# Altium PCB RFSOC_SAWG.PcbDoc (part 8 of 15)
Units mm, origin at the board's own origin, x right, y up, seen from the top; angles counter-clockwise.
Board outline 221.25 x 100 mm, 8 copper layers (Top Layer, Mid-Layer 2, Mid-Layer 3, Mid-Layer 4, Mid-Layer 5, Mid-Layer 6, Mid-Layer 7, Bottom Layer), stack 1.455 mm thick; 1107 components, 833 nets, 3980 pads, 2483 vias.
Unrouted connection lines stored in the file: 1.
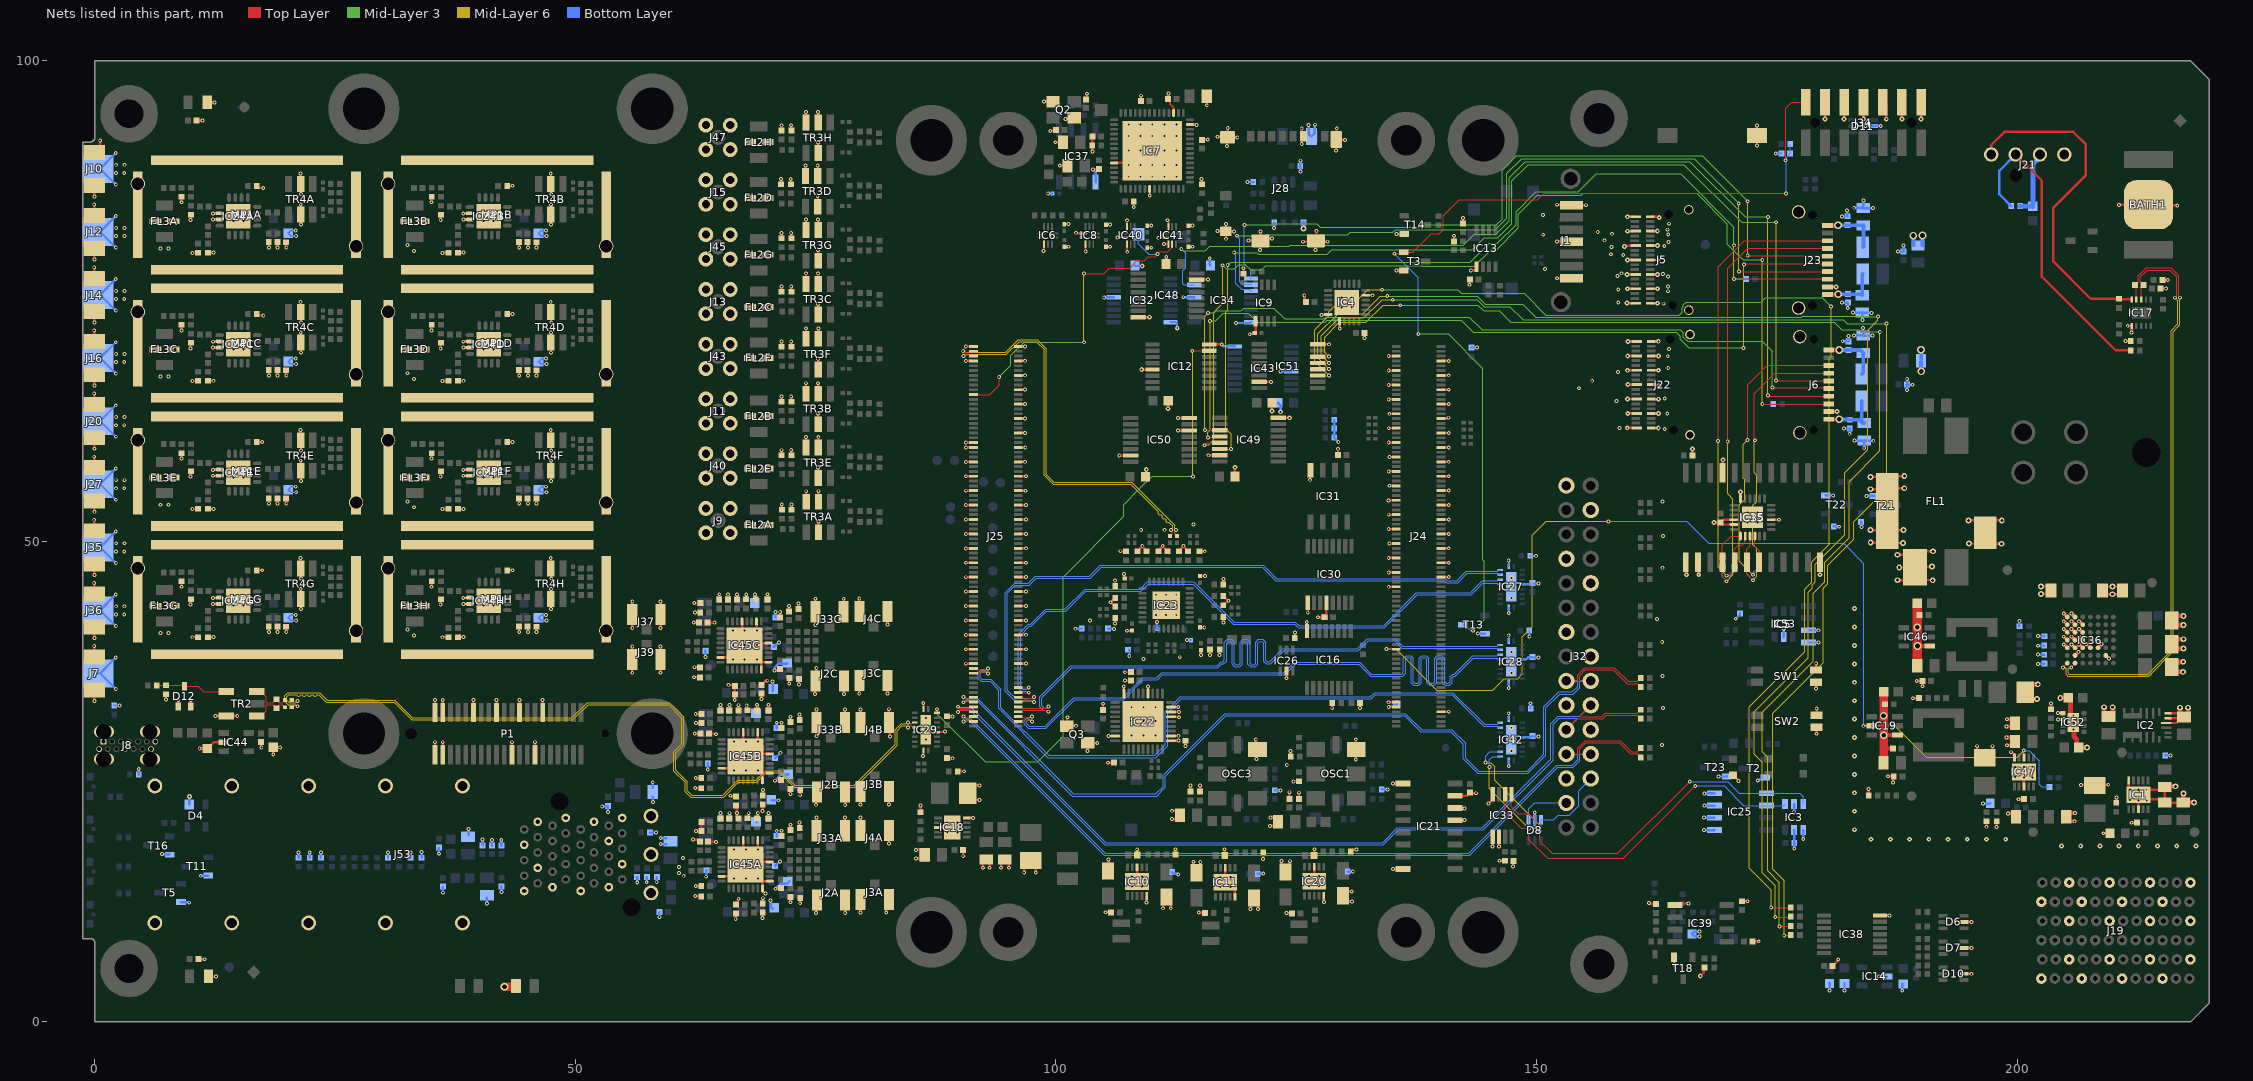
[diagram p14: the nets of this part, all layers, seen from the top]

## Via types
v1: diameter 0.4, hole 0.2, Top Layer to Bottom Layer, tented both sides, 1996 vias
v2: diameter 0.55, hole 0.2, Top Layer to Bottom Layer, 149 vias
v3: diameter 0.5, hole 0.2, Top Layer to Bottom Layer, tented both sides, 106 vias
v4: diameter 0.6, hole 0.3, Top Layer to Bottom Layer, tented both sides, 99 vias
v5: diameter 0.4, hole 0.15, Top Layer to Bottom Layer, tented both sides, 60 vias
v6: diameter 0.6, hole 0.3, Top Layer to Bottom Layer, 32 vias
v7: diameter 0.8, hole 0.5, Top Layer to Bottom Layer, tented both sides, 23 vias
v8: diameter 0.3/0.4/0.4/0.4/0.4/0.3 (per signal layer), hole 0.2, Top Layer to Bottom Layer, tented both sides, 12 vias
v9: diameter 0.4, hole 0.2, Top Layer to Bottom Layer, 5 vias
v10: diameter 0.5, hole 0.2, Top Layer to Bottom Layer, 1 vias

## Nets (pads, with @x,y where several pads share a name; then routed paths per layer and width w, separated by ;. In a path a pad name is that pad's centre, name@x,y a point inside that pad or via, vN(x,y) a via of type N, cw(c..) or ccw(c..) an arc to the next point about the centre after c; other vN are vias at no path point) (continued)
DX_N: C69.1 IC17.4 IC36.A7 | length 61
  Top Layer w0.093: v1(204.775,36.875) 204.779,36.875 205.233,37.329 IC36.A7@205.237,37.329 ; IC17.4@212.425,75.15 212.425,76.525 C69.1@212.275,76.675 212.615,77.015 212.615,77.616 213.444,78.445 215.991,78.445 216.824,77.613 216.824,75.558 216.977,75.404 v1(216.977,75.35)
  Mid-Layer 6 w0.08: v1(204.775,36.875) 204.784,36.866 205.061,36.866 205.108,36.819 205.108,36.164 205.304,35.968 213.686,35.968 216.257,38.539 216.257,71.832 216.957,72.532 216.957,75.33 v1(216.977,75.35)
DX_P: C69.2 IC17.3 IC36.A6 | length 59.7
  Top Layer w0.093: v1(205.648,36.857) 205.648,36.898 206.037,37.287 IC36.A6@206.037,37.329 ; IC17.3@212.925,75.15 212.925,76.425 C69.2@213.175,76.675 212.835,77.015 212.835,77.525 213.535,78.225 215.9,78.225 216.604,77.522 216.604,75.558 216.45,75.404 v1(216.45,75.35)
  Mid-Layer 6 w0.08: v1(205.648,36.857) 205.639,36.866 205.362,36.866 205.315,36.819 205.315,36.25 205.39,36.175 213.6,36.175 216.05,38.625 216.05,71.918 216.75,72.618 216.75,75.05 v1(216.45,75.35)
EEM0_I2C.SCL: D8.1 IC3.1 IC25.6 IC33.2 IC42.12 J32.27 | length 54
  Top Layer w0.127: IC33.2@146.75,23.675 146.75,21.793 148.418,20.125 v1(149.225,20.125) 149.225,18.975 151.15,17.05 159.025,17.05 162.824,20.849 v1(166.525,24.55)
  Mid-Layer 6 w0.127: v1(145.1,26.525) 145.1,24.25 v1(149.225,20.125)
  Bottom Layer w0.127: v1(145.1,26.525) 145.1,27.275 145.434,27.609 IC42.12@146.228,27.609 ; v1(149.225,20.125) 149.225,20.975 D8.1@149.175,21.025 149.175,22.15 149.803,22.778 J32.27@153.114,22.778 ; v1(166.525,24.55) 169.525,24.55 171.565,22.51 IC25.6@173.925,22.51 175.71,22.51 IC3.1@175.85,22.65
EEM0_I2C.SDA: D8.3 IC3.3 IC25.5 IC33.1 IC42.13 J32.26 | length 60.4
  Top Layer w0.127: IC33.1@147.4,23.675 147.4,22.393 148.118,21.675 149.15,21.675 150.35,20.475 v1(150.35,19.875) 150.35,18.8 151.625,17.525 158.475,17.525 v1(165.95,25)
  Mid-Layer 6 w0.127: v1(144.7,26.975) 145.25,26.975 145.678,26.547 145.678,25.147 150.35,20.475 v1(150.35,19.875)
  Bottom Layer w0.127: v1(144.7,26.975) 144.7,27.65 145.159,28.109 IC42.13@146.228,28.109 ; v1(150.35,19.875) 150.35,19.949 150.475,20.074 D8.3@150.475,21.025 151.781,21.025 152.256,21.5 153.425,21.5 154.389,22.464 154.389,24.053 J32.26@155.654,25.318 ; v1(165.95,25) 165.975,24.975 169.925,24.975 171.12,23.78 IC25.5@173.925,23.78 177.37,23.78 177.75,23.4 IC3.3@177.75,22.65
EEM_IO.LVDS_N0: IC27.18 J25.13 | length 68.6
  Top Layer w0.093: J25.13@96.085,33.772 96.4,33.772 96.54,33.632 97.048,33.632 97.064,33.649 97.517,33.649 97.671,33.802 v1(97.725,33.802)
  Bottom Layer w0.093: v1(97.725,33.802) 97.671,33.802 97.517,33.649 95.802,33.649 94.95,34.5 94.95,44.575 95.787,45.412 97.224,45.412 97.96,46.149 103.574,46.149 104.725,47.3 121.475,47.3 122.895,45.88 140.431,45.88 140.629,45.682 141.807,45.682 142.779,46.654 145.92,46.654 145.974,46.599 145.974,46.592 146.053,46.514 IC27.18@146.228,46.514
EEM_IO.LVDS_N1: IC27.16 J25.17 | length 63.5
  Top Layer w0.093: J25.17@96.085,34.772 96.09,34.777 v1(97.175,34.777)
  Bottom Layer w0.093: v1(97.175,34.777) 97.121,34.777 96.967,34.623 96.502,34.623 96.318,34.807 96.318,40.246 97.212,41.14 97.452,41.14 99.016,42.705 101.03,42.705 103.122,44.797 108.847,44.797 109.6,45.55 114.275,45.55 118.45,41.375 124.839,41.375 125.207,41.007 134.182,41.007 137.605,44.43 143.205,44.43 144.429,45.654 145.606,45.654 ; 145.606,45.654 145.92,45.654 145.974,45.599 145.974,45.592 146.053,45.514 IC27.16@146.228,45.514
EEM_IO.LVDS_N2: IC28.18 J25.9 | length 69.1
  Top Layer w0.093: J25.9@96.085,32.772 96.4,32.772 96.54,32.632 99.017,32.632 99.185,32.8 v1(99.225,32.8)
  Bottom Layer w0.093: v1(99.225,32.8) 99.171,32.8 99.017,32.647 98.8,32.647 98.55,32.896 98.55,33.725 101.655,36.83 116.855,36.83 117.28,37.255 117.482,37.255 117.759,37.532 117.759,39.429 117.907,39.577 118.204,39.577 118.352,39.429 118.352,37.217 118.629,36.94 119.108,36.94 119.385,37.217 119.385,39.429 119.533,39.577 119.83,39.577 119.978,39.429 119.978,37.217 120.255,36.94 120.734,36.94 121.011,37.217 121.011,39.429 121.159,39.577 121.456,39.577 121.604,39.429 121.604,37.532 121.881,37.255 122.227,37.255 122.341,37.255 123.693,38.607 131.457,38.607 132.48,39.63 135.234,39.63 136.008,38.856 145.92,38.856 145.974,38.802 145.974,38.794 146.053,38.716 IC28.18@146.228,38.716
EEM_IO.LVDS_N3: IC28.16 J25.5 | length 72.2
  Top Layer w0.093: J25.5@96.085,31.772 96.4,31.772 96.54,31.632 97.292,31.632 97.446,31.786 v1(97.5,31.786)
  Bottom Layer w0.093: v1(97.5,31.786) 97.446,31.786 97.292,31.632 97.011,31.632 96.696,31.318 96.696,30.993 97.134,30.555 98.966,30.555 101.941,33.53 107.041,33.53 109.111,35.6 110.586,35.6 111.081,36.094 123.794,36.094 124.894,37.194 131.522,37.194 132.741,35.975 135.9,35.975 136.102,35.975 136.379,36.252 136.379,37.748 136.527,37.896 136.824,37.896 136.972,37.748 136.972,35.292 137.249,35.015 137.728,35.015 138.005,35.292 138.005,37.748 138.153,37.896 138.45,37.896 138.598,37.748 138.598,35.292 138.875,35.015 139.354,35.015 139.631,35.292 139.631,37.748 139.779,37.896 140.076,37.896 140.224,37.748 140.224,35.292 140.501,35.015 140.98,35.015 141.257,35.292 141.257,35.827 141.405,35.975 141.561,35.975 141.793,36.207 143.442,37.856 145.554,37.856 ; 145.554,37.856 145.92,37.856 145.974,37.802 145.974,37.794 146.053,37.716 IC28.16@146.228,37.716
EEM_IO.LVDS_N4: IC42.18 J25.26 | length 68.5
  Top Layer w0.093: J25.26@91.415,36.772 91.73,36.772 91.87,36.632 92.742,36.632 92.896,36.786 v1(92.95,36.786)
  Bottom Layer w0.093: v1(92.95,36.786) 92.896,36.786 92.742,36.632 92.215,36.632 91.93,36.348 91.93,35.709 92.209,35.43 93.145,35.43 94.05,34.525 94.05,32.614 99.164,27.5 110.386,27.5 111.62,28.734 111.62,32.174 112.354,32.908 113.046,33.6 114.063,33.6 ; 114.075,33.6 132.8,33.6 133.25,34.05 141.214,34.05 144.514,30.749 145.92,30.749 145.974,30.695 145.974,30.688 146.053,30.609 IC42.18@146.228,30.609
EEM_IO.LVDS_N5: J25.12 J32.18 R168.2 | length 94.4
  Top Layer w0.093: v1(90.4,33.259) 90.454,33.259 90.608,33.412 90.774,33.412 90.96,33.412 91.1,33.272 J25.12@91.415,33.272 ; J32.18@155.654,35.478 154.549,35.478 154.494,35.533 154.494,36.019 155.1,36.625 158.016,36.625 159.441,35.2 160.553,35.2 160.607,35.146 160.607,35.079 R168.2@160.851,34.835
  Bottom Layer w0.093: v1(90.4,33.259) 90.454,33.259 90.608,33.412 91.801,33.412 101.714,23.5 110.5,23.5 111.395,24.395 111.395,25.57 117.68,31.855 136.284,31.855 137.971,30.168 141.108,30.168 142.4,28.875 142.4,27.364 143.884,25.88 149.116,25.88 150.975,27.739 150.975,32.68 152.4,34.105 153.841,34.105 154.494,34.758 154.494,35.424 154.549,35.478 J32.18@155.654,35.478
EEM_IO.LVDS_N6: J25.8 J32.21 R247.2 | length 89.8
  Top Layer w0.093: v1(89.8,32.259) 89.854,32.259 90.008,32.412 90.96,32.412 91.1,32.272 J25.8@91.415,32.272 ; J32.21@153.114,30.398 154.268,31.552 156.899,31.552 157.262,31.915 160.557,31.915 160.612,31.861 160.612,31.818 R247.2@160.855,31.575
  Bottom Layer w0.093: v1(89.8,32.259) 90.034,32.493 91.046,32.493 105.109,18.43 134.08,18.43 135.63,19.98 144.466,19.98 151.725,27.239 151.725,30.95 152.381,31.606 154.136,31.606 154.19,31.551 154.19,31.474 J32.21@153.114,30.398
EEM_IO.LVDS_N7: J25.4 J32.24 R248.2 | length 85.9
  Top Layer w0.093: v1(90.4,31.259) 90.454,31.259 90.608,31.412 90.96,31.412 91.1,31.272 J25.4@91.415,31.272 ; J32.24@155.654,27.858 154.549,27.858 154.494,27.913 154.494,28.394 155.15,29.05 158.624,29.05 159.784,27.89 160.255,27.89 160.557,27.89 160.612,27.836 160.612,27.768 R248.2@160.855,27.525
  Bottom Layer w0.093: v1(90.4,31.259) 90.459,31.318 91.046,31.318 105.031,17.333 124.425,17.333 124.433,17.325 143.07,17.325 152.225,26.48 153.816,26.48 154.494,27.158 154.494,27.804 154.549,27.858 J32.24@155.654,27.858
EEM_IO.LVDS_P0: IC27.19 J25.11 | length 69.3
  Top Layer w0.093: J25.11@96.085,33.272 96.4,33.272 96.54,33.412 97.139,33.412 97.155,33.429 97.517,33.429 97.671,33.275 v1(97.725,33.275)
  Bottom Layer w0.093: v1(97.725,33.275) 97.671,33.275 97.517,33.429 95.71,33.429 94.73,34.409 94.73,44.666 95.696,45.632 97.132,45.632 97.868,46.369 103.482,46.369 104.634,47.52 121.566,47.52 122.986,46.1 140.522,46.1 140.72,45.902 141.715,45.902 142.688,46.874 145.92,46.874 145.974,46.928 145.974,46.935 146.053,47.014 IC27.19@146.228,47.014
EEM_IO.LVDS_P1: IC27.17 J25.15 | length 64.2
  Top Layer w0.093: J25.15@96.085,34.272 96.107,34.25 v1(97.175,34.25)
  Bottom Layer w0.093: v1(97.175,34.25) 97.121,34.25 96.967,34.403 96.41,34.403 96.098,34.716 96.098,40.337 97.121,41.36 97.36,41.36 98.925,42.925 100.939,42.925 103.031,45.017 108.756,45.017 109.509,45.77 114.366,45.77 118.541,41.595 124.93,41.595 125.298,41.227 134.09,41.227 137.514,44.65 143.114,44.65 144.338,45.874 145.697,45.874 145.92,45.874 145.974,45.928 145.974,45.935 146.053,46.014 IC27.17@146.228,46.014
EEM_IO.LVDS_P2: IC28.19 J25.7 | length 69.9
  Top Layer w0.093: J25.7@96.085,32.272 96.4,32.272 96.54,32.412 99.017,32.412 99.156,32.273 v1(99.225,32.273)
  Bottom Layer w0.093: v1(99.225,32.273) 99.171,32.273 99.017,32.427 98.709,32.427 98.33,32.805 98.33,33.816 101.564,37.05 116.764,37.05 117.189,37.475 117.28,37.475 117.391,37.475 117.539,37.623 117.539,39.52 117.816,39.797 118.295,39.797 118.572,39.52 118.572,37.308 118.72,37.16 119.017,37.16 119.165,37.308 119.165,39.52 119.442,39.797 119.921,39.797 120.198,39.52 120.198,37.308 120.346,37.16 120.643,37.16 120.791,37.308 120.791,39.52 121.068,39.797 121.547,39.797 121.824,39.52 121.824,37.623 121.972,37.475 122.227,37.475 122.25,37.475 123.602,38.827 131.365,38.827 132.389,39.85 135.325,39.85 136.099,39.076 145.92,39.076 145.974,39.13 145.974,39.137 146.053,39.216 IC28.19@146.228,39.216
EEM_IO.LVDS_P3: IC28.17 J25.3 | length 71.5
  Top Layer w0.093: J25.3@96.085,31.272 96.4,31.272 96.54,31.412 97.292,31.412 97.446,31.259 v1(97.5,31.259)
  Bottom Layer w0.093: v1(97.5,31.259) 97.446,31.259 97.292,31.412 97.102,31.412 96.916,31.226 96.916,31.084 97.225,30.775 98.875,30.775 101.85,33.75 106.95,33.75 109.02,35.82 110.495,35.82 110.989,36.314 123.703,36.314 124.803,37.414 131.613,37.414 132.832,36.195 135.9,36.195 136.011,36.195 136.159,36.343 136.159,37.839 136.436,38.116 136.915,38.116 137.192,37.839 137.192,35.384 137.34,35.235 137.637,35.235 137.785,35.384 137.785,37.839 138.062,38.116 138.541,38.116 138.818,37.839 138.818,35.384 138.966,35.235 139.263,35.235 139.411,35.384 139.411,37.839 139.688,38.116 140.167,38.116 140.444,37.839 140.444,35.384 140.592,35.235 140.889,35.235 141.037,35.384 141.037,35.918 141.314,36.195 141.47,36.195 141.793,36.518 143.351,38.076 145.645,38.076 145.92,38.076 145.974,38.13 145.974,38.137 146.053,38.216 IC28.17@146.228,38.216
EEM_IO.LVDS_P4: IC42.19 J25.24 | length 67.8
  Top Layer w0.093: J25.24@91.415,36.272 91.73,36.272 91.87,36.412 92.742,36.412 92.896,36.259 v1(92.95,36.259)
  Bottom Layer w0.093: v1(92.95,36.259) 92.896,36.259 92.742,36.412 92.306,36.412 92.15,36.256 92.15,35.8 92.3,35.65 93.236,35.65 94.27,34.616 94.27,32.705 99.255,27.72 110.295,27.72 111.4,28.825 111.4,32.265 112.134,32.999 112.955,33.82 114.113,33.82 ; 114.075,33.82 132.709,33.82 133.159,34.27 141.305,34.27 144.606,30.969 145.92,30.969 145.974,31.024 145.974,31.031 146.053,31.109 IC42.19@146.228,31.109
EEM_IO.LVDS_P5: J25.14 J32.17 R150.2 | length 94.4
  Top Layer w0.093: v1(90.4,33.786) 90.454,33.786 90.608,33.632 90.865,33.632 90.96,33.632 91.1,33.772 J25.14@91.415,33.772 ; J32.17@153.114,35.478 154.22,35.478 154.274,35.533 154.274,36.111 155.009,36.845 158.107,36.845 159.532,35.42 160.553,35.42 160.607,35.475 160.607,35.542 R150.2@160.851,35.785
  Bottom Layer w0.093: v1(90.4,33.786) 90.454,33.786 90.608,33.632 91.893,33.632 101.805,23.72 110.409,23.72 111.175,24.486 111.175,25.661 117.589,32.075 136.375,32.075 138.063,30.388 141.199,30.388 142.62,28.966 142.62,27.455 143.975,26.1 149.025,26.1 150.755,27.83 150.755,32.771 152.309,34.325 153.75,34.325 154.274,34.849 154.274,35.424 154.22,35.478 J32.17@153.114,35.478
EEM_IO.LVDS_P6: J25.10 J32.20 R151.2 | length 89.7
  Top Layer w0.093: v1(89.8,32.786) 89.854,32.786 90.008,32.632 90.96,32.632 91.1,32.772 J25.10@91.415,32.772 ; J32.20@155.654,32.938 154.62,31.904 154.62,31.827 154.674,31.772 156.808,31.772 157.171,32.135 160.557,32.135 160.612,32.189 160.612,32.231 R151.2@160.855,32.475
  Bottom Layer w0.093: v1@89.768,32.713 89.782,32.727 89.994,32.727 90.008,32.713 91.137,32.713 105.2,18.65 133.989,18.65 135.539,20.2 144.375,20.2 151.505,27.33 151.505,31.041 152.29,31.826 154.227,31.826 154.268,31.785 154.501,31.785 J32.20@155.654,32.938
EEM_IO.LVDS_P7: J25.6 J32.23 R152.2 | length 86
  Top Layer w0.093: v1(90.4,31.786) 90.454,31.786 90.608,31.632 90.96,31.632 91.1,31.772 J25.6@91.415,31.772 ; J32.23@153.114,27.858 154.22,27.858 154.274,27.913 154.274,28.486 155.059,29.27 158.715,29.27 159.875,28.11 160.346,28.11 160.557,28.11 160.612,28.164 160.612,28.231 R152.2@160.855,28.475
  Bottom Layer w0.093: v1(90.4,31.786) 90.419,31.786 90.65,31.555 91.098,31.555 91.116,31.538 91.137,31.538 105.122,17.553 124.532,17.553 124.539,17.545 142.979,17.545 152.134,26.7 153.725,26.7 154.274,27.249 154.274,27.804 154.22,27.858 J32.23@153.114,27.858
EN_clk_3V6: IC19.5 IC47.3 J24.34 R106.1 | length 111.8
  Top Layer w0.127: v1(134.4,38.8) 134.414,38.786 135.401,38.786 J24.34@135.415,38.772 ; v1(184.041,30.805) 184.046,30.81 IC19.5@184.865,30.81 ; v1(200.7,28.225) 200.712,28.212 200.712,27.513 IC47.3@200.725,27.5
  Mid-Layer 6 w0.127: v1(134.4,38.8) 135.375,38.8 139.65,34.525 145.475,34.525 146.665,35.715 148.037,35.715 148.537,36.216 148.537,40.087 149.55,41.1 149.55,50.65 151,52.1 157.475,52.1 v1(157.5,52.075) ; v1(184.041,30.805) 187.27,30.805 190.55,27.525 200.017,27.525 200.7,28.208 v1(200.7,28.225)
  Bottom Layer w0.127: v1(157.5,52.075) 165.625,52.075 167.925,49.775 181.95,49.775 184.041,47.684 v1(184.041,30.805) ; v1(200.7,28.225) 201.25,28.225 202.3,27.175 202.3,24.725 202.575,24.45 R106.1@203.38,24.45
EN_USB_JTAG: C53.2 J34.13 R58.1 T3.1 T13.3 | length 104
  Top Layer w0.127: v1(135.217,79.919) 136.024,79.919 T3.1@136.175,80.07 137.145,80.07 139.075,82 139.9,82 140.325,82.425 140.325,83.875 141.975,85.525 150.125,85.525 150.8,86.2 v1(175.975,86.2) ; v1(175.925,89.65) 175.925,95.075 176.55,95.7 J34.13@178.025,95.7
  Mid-Layer 3 w0.127: v1(137.7,71.575) 140.8,71.575 144.4,67.975 144.4,48.075 144.565,47.91 144.565,41.865 v1(143.4,40.7)
  Bottom Layer w0.127: v1(135.217,79.919) 137.7,77.436 v1(137.7,71.575) ; T13.3@142.35,41.325 142.55,41.325 143.123,40.752 143.348,40.752 v1(143.4,40.7) ; v1(175.975,86.2) 175.975,89.6 v1(175.925,89.65) 175.925,89.875 176.375,90.325 C53.2@176.375,90.35 176.395,90.37 R58.1@176.395,91.325
EXT_CLK5: D12.3 R231.2 R232.1 TR2.6 | length 7.5
  Top Layer w0.1: R231.2@6.445,35 9.25,35 D12.3@9.325,34.925 10.775,34.925 11.325,34.375 TR2.6@13.675,34.375
EXT_CLK5_N: C168.1 R233.2 TR2.3 | length 4.3
  Top Layer w0.093: TR2.3@16.855,31.835 17.3,31.835 17.854,32.389 17.854,32.941 17.908,32.995 18.35,32.995 18.355,32.99 18.582,32.99 18.637,32.936 18.637,32.874 18.88,32.63 R233.2@18.9,32.63 18.92,32.63 19.163,32.874 19.163,32.936 19.218,32.99 19.428,32.99 19.436,32.997 19.551,32.997 19.606,32.943 19.606,32.886 19.759,32.732 C168.1@19.784,32.732
EXT_CLK5_P: C167.1 R233.1 TR2.1 | length 4.3
  Top Layer w0.093: TR2.1@16.855,34.375 17.3,34.375 17.854,33.821 17.854,33.269 17.908,33.215 18.441,33.215 18.446,33.21 18.582,33.21 18.637,33.264 18.637,33.326 18.88,33.57 R233.1@18.9,33.57 18.92,33.57 19.163,33.326 19.163,33.264 19.218,33.21 19.337,33.21 19.345,33.217 19.551,33.217 19.606,33.272 19.606,33.329 19.759,33.482 C167.1@19.784,33.482
EXT_CLK_5_N: C168.2 IC29.14 | length 84.7
  Top Layer w0.093: C168.2@20.484,32.732 20.509,32.732 20.663,32.886 20.663,32.943 20.717,32.997 20.867,32.997 21.021,32.844 v1(21.075,32.844) ; v1(84.6,31.164) 84.654,31.164 84.808,31.01 85.017,31.01 85.072,31.064 85.072,31.071 85.15,31.15 IC29.14@85.325,31.15
  Mid-Layer 6 w0.08: v1(21.075,32.844) 21.028,32.844 20.868,33.004 20.128,33.004 19.768,33.364 19.768,33.911 20.089,34.232 23.411,34.232 24.186,33.457 31.218,33.457 33.05,31.625 49.65,31.625 51.232,33.207 59.786,33.207 61.3,31.693 61.3,28.85 60.45,28 60.45,26.175 61.632,24.993 61.632,24.05 62.091,23.591 65.341,23.591 66.885,25.135 68.806,25.135 69.802,26.132 71.328,26.132 72.842,24.618 79.018,24.618 83.275,28.875 83.275,30.393 83.886,31.004 84.393,31.004 84.553,31.164 v1(84.6,31.164)
EXT_CLK_5_P: C167.2 IC29.15 | length 84.5
  Top Layer w0.093: C167.2@20.484,33.482 20.509,33.482 20.663,33.329 20.663,33.272 20.717,33.217 20.867,33.217 21.021,33.371 v1(21.075,33.371) ; v1(84.6,30.637) 84.654,30.637 84.808,30.79 85.017,30.79 85.072,30.736 85.072,30.729 85.15,30.65 IC29.15@85.325,30.65
  Mid-Layer 6 w0.08: v1(21.075,33.371) 21.028,33.371 20.868,33.211 20.214,33.211 19.975,33.45 19.975,33.825 20.175,34.025 20.696,34.025 21.016,34.025 21.086,33.955 21.086,33.945 21.156,33.875 21.296,33.875 21.366,33.945 21.366,33.955 21.436,34.025 21.576,34.025 21.646,33.955 21.646,33.945 21.716,33.875 21.856,33.875 21.926,33.945 21.926,33.955 21.996,34.025 22.136,34.025 22.206,33.955 22.206,33.945 22.276,33.875 22.416,33.875 22.486,33.945 22.486,33.955 22.556,34.025 22.696,34.025 22.766,33.955 22.766,33.945 22.836,33.875 22.976,33.875 23.046,33.945 23.046,33.955 23.116,34.025 23.325,34.025 24.1,33.25 31.132,33.25 32.964,31.418 49.736,31.418 51.318,33 59.7,33 61.093,31.607 61.093,28.936 60.243,28.086 60.243,26.089 61.425,24.907 61.425,23.964 62.005,23.384 65.427,23.384 66.971,24.928 68.891,24.928 69.888,25.925 71.242,25.925 72.756,24.411 79.103,24.411 83.482,28.789 83.482,30.307 83.971,30.797 84.393,30.797 84.553,30.637 v1(84.6,30.637)
EXT_CLK_IN1_N: C44.2 J25.158 | length 40.9
  Top Layer w0.093: v1(90.354,69.818) 90.413,69.818 90.599,69.632 90.96,69.632 91.1,69.772 J25.158@91.415,69.772 ; v1(112.501,51.175) 112.501,51.121 112.348,50.967 112.348,50.783 112.402,50.729 112.447,50.729 112.6,50.575 C44.2@112.6,50.55
  Mid-Layer 6 w0.08: v1(90.354,69.818) 90.405,69.818 90.561,69.662 94.762,69.662 96.082,70.982 98.061,70.982 98.982,70.061 98.982,56.943 99.8,56.125 107.9,56.125 112.341,51.684 112.341,51.382 112.501,51.222 v1(112.501,51.175)
EXT_CLK_IN1_P: C35.2 J25.156 | length 40.9
  Top Layer w0.093: v1(90.376,69.291) 90.459,69.291 90.581,69.412 90.96,69.412 91.1,69.272 J25.156@91.415,69.272 ; C35.2@111.875,50.55 111.875,50.575 112.029,50.729 112.073,50.729 112.128,50.783 112.128,50.967 111.974,51.121 v1(111.974,51.175)
  Mid-Layer 6 w0.08: v1(90.376,69.291) 90.42,69.291 90.583,69.455 94.847,69.455 96.168,70.775 97.975,70.775 98.775,69.975 98.775,56.857 99.714,55.918 107.814,55.918 110.441,53.291 110.469,53.263 110.667,53.065 110.667,52.966 110.66,52.959 110.66,52.86 110.759,52.761 110.858,52.761 110.865,52.768 110.964,52.768 111.063,52.669 111.063,52.57 111.056,52.563 111.056,52.464 111.155,52.365 111.254,52.365 111.261,52.372 111.36,52.372 111.459,52.273 111.459,52.174 111.452,52.167 111.452,52.068 111.551,51.969 111.65,51.969 111.657,51.976 111.756,51.976 111.85,51.882 111.879,51.854 112.134,51.598 112.134,51.382 111.974,51.222 v1(111.974,51.175)
EXT_CLK_SEL: IC12.7 IC29.9 | length 67.1
  Top Layer w0.127: IC29.9@87.625,32.15 v1(87.625,32.525) ; v1(114.187,69.811) 115.936,69.811 IC12.7@115.95,69.825
  Mid-Layer 3 w0.127: v1(87.625,32.525) 87.625,32.075 92.625,27.075 98.125,27.075 100.75,29.7 100.75,46.275 107.075,52.6 107.075,53.825 108.8,55.55 110.026,56.776 114.222,56.776 v1(114.248,56.75)
  Mid-Layer 6 w0.127: v1(114.187,69.811) 114.217,69.781 114.217,56.781 v1(114.248,56.75)
FAN_PWM: IC17.5 J21.4 R190.1 | length 35.3
  Top Layer w0.254: J21.4@197.31,90.25 197.31,91.21 198.7,92.6 205.85,92.6 207.175,91.275 207.175,88.125 203.75,84.7 203.75,79.15 207.68,75.22 R190.1@210.625,75.22 210.66,75.185 211.923,75.185 211.925,75.183 IC17.5@211.925,75.15
FAN_PWR: J21.2 L3.2 R185.1 | length 7
  Bottom Layer w0.5: R185.1@200.325,84.875 200.337,84.862 201.638,84.862 L3.2@201.65,84.85 201.65,89.239 202.39,89.979 J21.2@202.39,90.25
FAN_TACH: J21.3 R13.2 R185.2 | length 32.9
  Top Layer w0.254: J21.3@199.85,90.25 202.575,87.525 202.575,77.55 210.25,69.875 R13.2@211.83,69.875
  Bottom Layer w0.254: R185.2@199.385,84.875 199.385,84.895 198.15,86.13 198.15,88.55 J21.3@199.85,90.25
FFA_INTL: IC49.11 J6.5 | length 84.8
  Top Layer w0.127: v1(115.521,61.584) 115.538,61.567 117.033,61.567 IC49.11@117.05,61.55 ; v1(174.55,66) 180.306,66 J6.5@180.411,65.895